# KiCad board EOutside.kicad_pcb (continued)
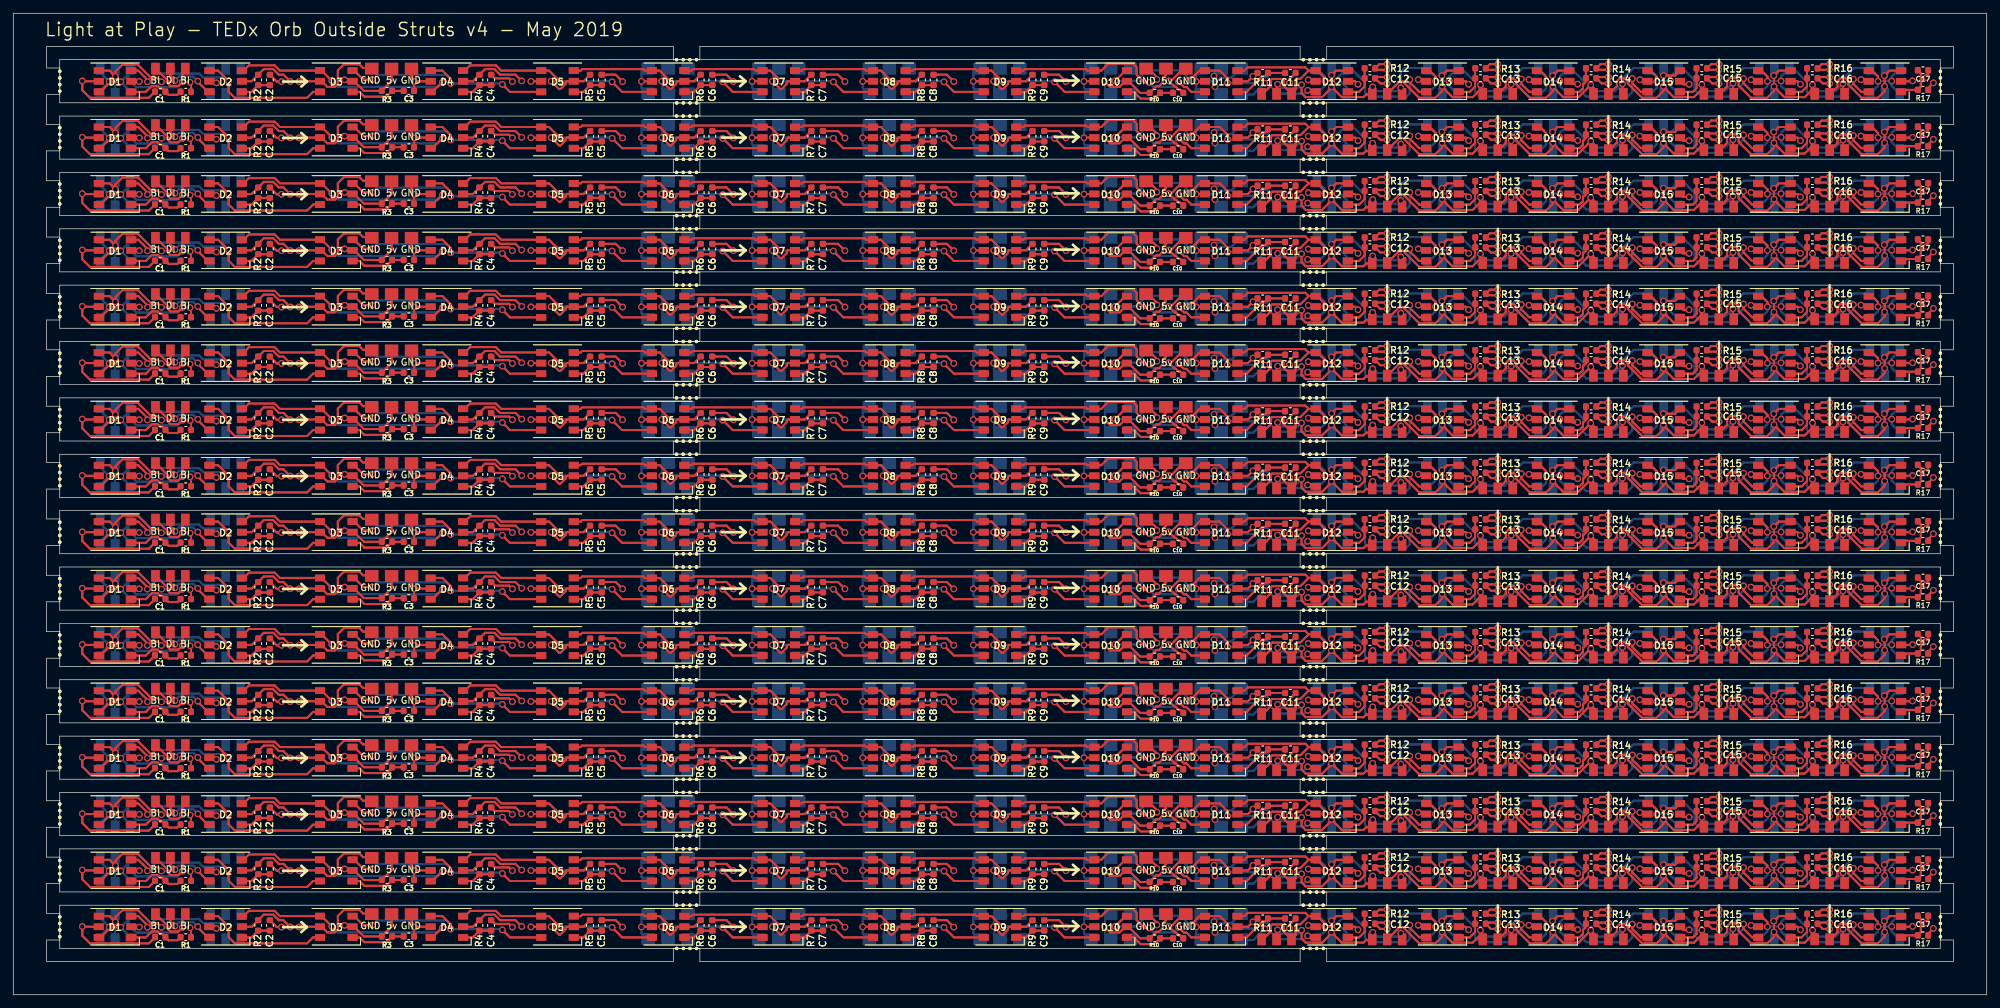
[diagram p0: board, top side]
## Routing (per net, layer and track width the routed paths; a pad name or vN(x,y) marks a point on that pad's centre or on a via; arc(x,y) is an arc through that point) (continued)
  Bottom w0.3: v1(164.38,137.75) 164.48,137.85 ; v1(164.38,137.75) 164.49,137.64 ; v1(164.38,137.75) 164.48,137.85 ; v1(164.38,137.75) 164.49,137.64 ; 164.48,137.85 164.48,139.4 ; 164.48,137.85 164.48,139.4 ; v1(147.72,137.75) 147.81,137.85 ; v1(147.72,137.75) 147.82,137.64 ; v1(147.72,137.75) 147.82,137.64 ; v1(147.72,137.75) 147.81,137.85 ; 147.81,137.85 147.81,139.4 ; 147.81,137.85 147.81,139.4 ; v1(131.05,137.75) 131.15,137.85 ; v1(131.05,137.75) 131.16,137.64 ; v1(131.05,137.75) 131.15,137.85 ; v1(131.05,137.75) 131.16,137.64 ; 131.15,137.85 131.15,139.4 ; 131.15,137.85 131.15,139.4 ; v1(114.38,137.75) 114.48,137.85 ; v1(114.38,137.75) 114.49,137.64 ; v1(114.38,137.75) 114.48,137.85 ; v1(114.38,137.75) 114.49,137.64 ; 114.48,137.85 114.48,139.4 ; 114.48,137.85 114.48,139.4 ; v1(97.72,137.75) 97.81,137.85 ; v1(97.72,137.75) 97.82,137.64 ; v1(97.72,137.75) 97.81,137.85 ; v1(97.72,137.75) 97.82,137.64 ; 97.81,137.85 97.81,139.4 ; 97.81,137.85 97.81,139.4 ; v1(81.05,137.75) 81.15,137.85 v1(81.05,137.75) ; v1(81.05,137.75) 81.16,137.64 v1(81.05,137.75) ; 164.48,139.4 165.33,140.25 164.48,139.4 ; 147.81,139.4 148.67,140.25 147.81,139.4 ; 131.15,139.4 132,140.25 131.15,139.4 ; 114.48,139.4 115.33,140.25 114.48,139.4 ; 97.81,139.4 98.67,140.25 97.81,139.4 ; 164.5,135.75 164.49,135.76 ; 164.5,135.75 165.33,135.75 164.5,135.75 ; 164.5,135.75 164.49,135.76 ; 164.49,135.76 164.49,137.64 ; 164.49,135.76 164.49,137.64 ; 147.83,135.75 147.82,135.76 ; 147.83,135.75 148.67,135.75 147.83,135.75 ; 147.83,135.75 147.82,135.76 ; 147.82,135.76 147.82,137.64 ; 147.82,135.76 147.82,137.64 ; 131.17,135.75 131.16,135.76 ; 131.17,135.75 132,135.75 131.17,135.75 ; 131.17,135.75 131.16,135.76 ; 131.16,135.76 131.16,137.64 ; 131.16,135.76 131.16,137.64 ; 114.5,135.75 114.49,135.76 ; 114.5,135.75 115.33,135.75 114.5,135.75 ; 114.5,135.75 114.49,135.76 ; 114.49,135.76 114.49,137.64 ; 114.49,135.76 114.49,137.64 ; 97.83,135.75 97.82,135.76 ; 97.83,135.75 98.67,135.75 97.83,135.75 ; 97.83,135.75 97.82,135.76 ; 97.82,135.76 97.82,137.64 ; 97.82,135.76 97.82,137.64 ; 182,131.11 181.42,130.53 ; 182,131.11 182,131.25 182,131.11 ; 182,131.11 181.42,130.53 ; 181.42,130.53 v1(180.92,130.03) 181.42,130.53 ; 181.55,127.93 v1(181.05,128.43) 181.55,127.93 ; 181.55,127.93 182,127.48 ; 181.55,127.93 182,127.48 ; 182,127.48 182,127.25 182,127.48 ; v1(164.38,129.25) 164.48,129.35 ; v1(164.38,129.25) 164.49,129.14 ; v1(164.38,129.25) 164.48,129.35 ; v1(164.38,129.25) 164.49,129.14 ; 164.48,129.35 164.48,130.9 ; 164.48,129.35 164.48,130.9 ; v1(81.05,129.25) 81.16,129.14 v1(81.05,129.25) ; v1(81.05,129.25) 81.15,129.35 v1(81.05,129.25) ; 164.48,130.9 165.33,131.75 164.48,130.9 ; 147.83,127.25 147.82,127.26 ; 147.83,127.25 148.67,127.25 147.83,127.25 ; 147.83,127.25 147.82,127.26 ; 147.82,127.26 147.82,129.14 ; 147.82,127.26 147.82,129.14 ; 164.49,129.14 164.49,127.26 ; 164.49,129.14 164.49,127.26 ; 147.82,129.14 v1(147.72,129.25) ; 147.82,129.14 v1(147.72,129.25) ; v1(147.72,129.25) 147.81,129.35 ; v1(147.72,129.25) 147.81,129.35 ; 164.49,127.26 164.5,127.25 ; 164.49,127.26 164.5,127.25 ; 164.5,127.25 165.33,127.25 164.5,127.25 ; v1(131.05,129.25) 131.15,129.35 ; v1(131.05,129.25) 131.16,129.14 ; v1(131.05,129.25) 131.15,129.35 ; v1(131.05,129.25) 131.16,129.14 ; 131.15,129.35 131.15,130.9 ; 131.15,129.35 131.15,130.9 ; 131.15,130.9 132,131.75 131.15,130.9 ; 131.17,127.25 131.16,127.26 ; 131.17,127.25 132,127.25 131.17,127.25 ; 131.17,127.25 131.16,127.26 ; 131.16,127.26 131.16,129.14 ; 131.16,127.26 131.16,129.14 ; v1(114.38,129.25) 114.48,129.35 ; v1(114.38,129.25) 114.49,129.14 ; v1(114.38,129.25) 114.48,129.35 ; v1(114.38,129.25) 114.49,129.14 ; 114.48,129.35 114.48,130.9 ; 114.48,129.35 114.48,130.9 ; 114.48,130.9 115.33,131.75 114.48,130.9 ; 147.81,129.35 147.81,130.9 ; 147.81,129.35 147.81,130.9 ; 114.5,127.25 114.49,127.26 ; 114.5,127.25 115.33,127.25 114.5,127.25 ; 114.5,127.25 114.49,127.26 ; 114.49,127.26 114.49,129.14 ; 114.49,127.26 114.49,129.14 ; 147.81,130.9 148.67,131.75 147.81,130.9 ; v1(97.72,129.25) 97.81,129.35 ; v1(97.72,129.25) 97.82,129.14 ; v1(97.72,129.25) 97.81,129.35 ; v1(97.72,129.25) 97.82,129.14 ; 97.81,129.35 97.81,130.9 ; 97.81,129.35 97.81,130.9 ; 97.81,130.9 98.67,131.75 97.81,130.9 ; 97.83,127.25 97.82,127.26 ; 97.83,127.25 98.67,127.25 97.83,127.25 ; 97.83,127.25 97.82,127.26 ; 97.82,127.26 97.82,129.14 ; 97.82,127.26 97.82,129.14 ; 182,122.61 181.42,122.03 ; 182,122.61 182,122.75 182,122.61 ; 182,122.61 181.42,122.03 ; 181.42,122.03 v1(180.92,121.53) 181.42,122.03 ; 181.55,119.43 v1(181.05,119.93) 181.55,119.43 ; 181.55,119.43 182,118.98 ; 181.55,119.43 182,118.98 ; 182,118.98 182,118.75 182,118.98 ; v1(164.38,120.75) 164.48,120.85 ; v1(164.38,120.75) 164.49,120.64 ; v1(164.38,120.75) 164.48,120.85 ; v1(164.38,120.75) 164.49,120.64 ; 164.48,120.85 164.48,122.4 ; 164.48,120.85 164.48,122.4 ; v1(81.05,120.75) 81.16,120.64 v1(81.05,120.75) ; v1(81.05,120.75) 81.15,120.85 v1(81.05,120.75) ; 164.48,122.4 165.33,123.25 164.48,122.4 ; 147.83,118.75 147.82,118.76 ; 147.83,118.75 148.67,118.75 147.83,118.75 ; 147.83,118.75 147.82,118.76 ; 147.82,118.76 147.82,120.64 ; 147.82,118.76 147.82,120.64 ; 164.49,120.64 164.49,118.76 ; 164.49,120.64 164.49,118.76 ; 147.82,120.64 v1(147.72,120.75) ; 147.82,120.64 v1(147.72,120.75) ; v1(147.72,120.75) 147.81,120.85 ; v1(147.72,120.75) 147.81,120.85 ; 164.49,118.76 164.5,118.75 ; 164.49,118.76 164.5,118.75 ; 164.5,118.75 165.33,118.75 164.5,118.75 ; v1(131.05,120.75) 131.15,120.85 ; v1(131.05,120.75) 131.16,120.64 ; v1(131.05,120.75) 131.15,120.85 ; v1(131.05,120.75) 131.16,120.64 ; 131.15,120.85 131.15,122.4 ; 131.15,120.85 131.15,122.4 ; 131.15,122.4 132,123.25 131.15,122.4 ; 131.17,118.75 131.16,118.76 ; 131.17,118.75 132,118.75 131.17,118.75 ; 131.17,118.75 131.16,118.76 ; 131.16,118.76 131.16,120.64 ; 131.16,118.76 131.16,120.64 ; v1(114.38,120.75) 114.48,120.85 ; v1(114.38,120.75) 114.49,120.64 ; v1(114.38,120.75) 114.48,120.85 ; v1(114.38,120.75) 114.49,120.64 ; 114.48,120.85 114.48,122.4 ; 114.48,120.85 114.48,122.4 ; 114.48,122.4 115.33,123.25 114.48,122.4 ; 147.81,120.85 147.81,122.4 ; 147.81,120.85 147.81,122.4 ; 114.5,118.75 114.49,118.76 ; 114.5,118.75 115.33,118.75 114.5,118.75 ; 114.5,118.75 114.49,118.76 ; 114.49,118.76 114.49,120.64 ; 114.49,118.76 114.49,120.64 ; 147.81,122.4 148.67,123.25 147.81,122.4 ; v1(97.72,120.75) 97.81,120.85 ; v1(97.72,120.75) 97.82,120.64 ; v1(97.72,120.75) 97.81,120.85 ; v1(97.72,120.75) 97.82,120.64 ; 97.81,120.85 97.81,122.4 ; 97.81,120.85 97.81,122.4 ; 97.81,122.4 98.67,123.25 97.81,122.4 ; 97.83,118.75 97.82,118.76 ; 97.83,118.75 98.67,118.75 97.83,118.75 ; 97.83,118.75 97.82,118.76 ; 97.82,118.76 97.82,120.64 ; 97.82,118.76 97.82,120.64 ; 182,114.11 181.42,113.53 ; 182,114.11 182,114.25 182,114.11 ; 182,114.11 181.42,113.53 ; 181.42,113.53 v1(180.92,113.03) 181.42,113.53 ; 181.55,110.93 v1(181.05,111.43) 181.55,110.93 ; 181.55,110.93 182,110.48 ; 181.55,110.93 182,110.48 ; 182,110.48 182,110.25 182,110.48 ; v1(164.38,112.25) 164.48,112.35 ; v1(164.38,112.25) 164.49,112.14 ; v1(164.38,112.25) 164.48,112.35 ; v1(164.38,112.25) 164.49,112.14 ; 164.48,112.35 164.48,113.9 ; 164.48,112.35 164.48,113.9 ; v1(81.05,112.25) 81.16,112.14 v1(81.05,112.25) ; v1(81.05,112.25) 81.15,112.35 v1(81.05,112.25) ; 164.48,113.9 165.33,114.75 164.48,113.9 ; 147.83,110.25 147.82,110.26 ; 147.83,110.25 148.67,110.25 147.83,110.25 ; 147.83,110.25 147.82,110.26 ; 147.82,110.26 147.82,112.14 ; 147.82,110.26 147.82,112.14 ; 164.49,112.14 164.49,110.26 ; 164.49,112.14 164.49,110.26 ; 147.82,112.14 v1(147.72,112.25) ; 147.82,112.14 v1(147.72,112.25) ; v1(147.72,112.25) 147.81,112.35 ; v1(147.72,112.25) 147.81,112.35 ; 164.49,110.26 164.5,110.25 ; 164.49,110.26 164.5,110.25 ; 164.5,110.25 165.33,110.25 164.5,110.25 ; v1(131.05,112.25) 131.15,112.35 ; v1(131.05,112.25) 131.16,112.14 ; v1(131.05,112.25) 131.15,112.35 ; v1(131.05,112.25) 131.16,112.14 ; 131.15,112.35 131.15,113.9 ; 131.15,112.35 131.15,113.9 ; 131.15,113.9 132,114.75 131.15,113.9 ; 131.17,110.25 131.16,110.26 ; 131.17,110.25 132,110.25 131.17,110.25 ; 131.17,110.25 131.16,110.26 ; 131.16,110.26 131.16,112.14 ; 131.16,110.26 131.16,112.14 ; v1(114.38,112.25) 114.48,112.35 ; v1(114.38,112.25) 114.49,112.14 ; v1(114.38,112.25) 114.48,112.35 ; v1(114.38,112.25) 114.49,112.14 ; 114.48,112.35 114.48,113.9 ; 114.48,112.35 114.48,113.9 ; 114.48,113.9 115.33,114.75 114.48,113.9 ; 147.81,112.35 147.81,113.9 ; 147.81,112.35 147.81,113.9 ; 114.5,110.25 114.49,110.26 ; 114.5,110.25 115.33,110.25 114.5,110.25 ; 114.5,110.25 114.49,110.26 ; 114.49,110.26 114.49,112.14 ; 114.49,110.26 114.49,112.14 ; 147.81,113.9 148.67,114.75 147.81,113.9 ; v1(97.72,112.25) 97.81,112.35 ; v1(97.72,112.25) 97.82,112.14 ; v1(97.72,112.25) 97.81,112.35 ; v1(97.72,112.25) 97.82,112.14 ; 97.81,112.35 97.81,113.9 ; 97.81,112.35 97.81,113.9 ; 97.81,113.9 98.67,114.75 97.81,113.9 ; 97.83,110.25 97.82,110.26 ; 97.83,110.25 98.67,110.25 97.83,110.25 ; 97.83,110.25 97.82,110.26 ; 97.82,110.26 97.82,112.14 ; 97.82,110.26 97.82,112.14 ; 182,139.61 181.42,139.03 ; 182,139.61 182,139.75 182,139.61 ; 182,139.61 181.42,139.03 ; 181.42,139.03 v1(180.92,138.53) 181.42,139.03 ; 181.55,136.43 v1(181.05,136.93) 181.55,136.43 ; 181.55,136.43 182,135.98 ; 181.55,136.43 182,135.98 ; 182,135.98 182,135.75 182,135.98 ; 182,105.61 181.42,105.03 ; 182,105.61 182,105.75 182,105.61 ; 182,105.61 181.42,105.03 ; 181.42,105.03 v1(180.92,104.53) 181.42,105.03 ; 181.55,102.43 v1(181.05,102.93) 181.55,102.43 ; 181.55,102.43 182,101.98 ; 181.55,102.43 182,101.98 ; 182,101.98 182,101.75 182,101.98 ; v1(164.38,103.75) 164.48,103.85 ; v1(164.38,103.75) 164.49,103.64 ; v1(164.38,103.75) 164.49,103.64 ; v1(164.38,103.75) 164.48,103.85 ; 164.48,103.85 164.48,105.4 ; 164.48,103.85 164.48,105.4 ; v1(81.05,103.75) 81.16,103.64 v1(81.05,103.75) ; v1(81.05,103.75) 81.15,103.85 v1(81.05,103.75) ; 164.48,105.4 165.33,106.25 164.48,105.4 ; 147.83,101.75 147.82,101.76 ; 147.83,101.75 148.67,101.75 147.83,101.75 ; 147.83,101.75 147.82,101.76 ; 147.82,101.76 147.82,103.64 ; 147.82,101.76 147.82,103.64 ; 164.49,103.64 164.49,101.76 ; 164.49,103.64 164.49,101.76 ; 147.82,103.64 v1(147.72,103.75) ; 147.82,103.64 v1(147.72,103.75) ; v1(147.72,103.75) 147.81,103.85 ; v1(147.72,103.75) 147.81,103.85 ; 164.49,101.76 164.5,101.75 ; 164.49,101.76 164.5,101.75 ; 164.5,101.75 165.33,101.75 164.5,101.75 ; v1(131.05,103.75) 131.15,103.85 ; v1(131.05,103.75) 131.16,103.64 ; v1(131.05,103.75) 131.15,103.85 ; v1(131.05,103.75) 131.16,103.64 ; 131.15,103.85 131.15,105.4 ; 131.15,103.85 131.15,105.4 ; 131.15,105.4 132,106.25 131.15,105.4 ; 131.17,101.75 131.16,101.76 ; 131.17,101.75 132,101.75 131.17,101.75 ; 131.17,101.75 131.16,101.76 ; 131.16,101.76 131.16,103.64 ; 131.16,101.76 131.16,103.64 ; v1(114.38,103.75) 114.48,103.85 ; v1(114.38,103.75) 114.49,103.64 ; v1(114.38,103.75) 114.48,103.85 ; v1(114.38,103.75) 114.49,103.64 ; 114.48,103.85 114.48,105.4 ; 114.48,103.85 114.48,105.4 ; 114.48,105.4 115.33,106.25 114.48,105.4 ; 147.81,103.85 147.81,105.4 ; 147.81,103.85 147.81,105.4 ; 114.5,101.75 114.49,101.76 ; 114.5,101.75 115.33,101.75 114.5,101.75 ; 114.5,101.75 114.49,101.76 ; 114.49,101.76 114.49,103.64 ; 114.49,101.76 114.49,103.64 ; 147.81,105.4 148.67,106.25 147.81,105.4 ; v1(97.72,103.75) 97.81,103.85 ; v1(97.72,103.75) 97.82,103.64 ; v1(97.72,103.75) 97.81,103.85 ; v1(97.72,103.75) 97.82,103.64 ; 97.81,103.85 97.81,105.4 ; 97.81,103.85 97.81,105.4 ; 97.81,105.4 98.67,106.25 97.81,105.4 ; 97.83,101.75 97.82,101.76 ; 97.83,101.75 98.67,101.75 97.83,101.75 ; 97.83,101.75 97.82,101.76 ; 97.82,101.76 97.82,103.64 ; 97.82,101.76 97.82,103.64 ; 182,97.11 181.42,96.53 ; 182,97.11 182,97.25 182,97.11 ; 182,97.11 181.42,96.53 ; 181.42,96.53 v1(180.92,96.03) 181.42,96.53 ; 181.55,93.93 v1(181.05,94.43) 181.55,93.93 ; 181.55,93.93 182,93.48 ; 181.55,93.93 182,93.48 ; 182,93.48 182,93.25 182,93.48 ; v1(164.38,95.25) 164.48,95.35 ; v1(164.38,95.25) 164.49,95.14 ; v1(164.38,95.25) 164.49,95.14 ; v1(164.38,95.25) 164.48,95.35 ; 164.48,95.35 164.48,96.9 ; 164.48,95.35 164.48,96.9 ; v1(81.05,95.25) 81.16,95.14 v1(81.05,95.25) ; v1(81.05,95.25) 81.15,95.35 v1(81.05,95.25) ; 164.48,96.9 165.33,97.75 164.48,96.9 ; 147.83,93.25 147.82,93.26 ; 147.83,93.25 148.67,93.25 147.83,93.25 ; 147.83,93.25 147.82,93.26 ; 147.82,93.26 147.82,95.14 ; 147.82,93.26 147.82,95.14 ; 164.49,95.14 164.49,93.26 ; 164.49,95.14 164.49,93.26 ; 147.82,95.14 v1(147.72,95.25) ; 147.82,95.14 v1(147.72,95.25) ; v1(147.72,95.25) 147.81,95.35 ; v1(147.72,95.25) 147.81,95.35 ; 164.49,93.26 164.5,93.25 ; 164.49,93.26 164.5,93.25 ; 164.5,93.25 165.33,93.25 164.5,93.25 ; v1(131.05,95.25) 131.15,95.35 ; v1(131.05,95.25) 131.16,95.14 ; v1(131.05,95.25) 131.15,95.35 ; v1(131.05,95.25) 131.16,95.14 ; 131.15,95.35 131.15,96.9 ; 131.15,95.35 131.15,96.9 ; 131.15,96.9 132,97.75 131.15,96.9 ; 131.17,93.25 131.16,93.26 ; 131.17,93.25 132,93.25 131.17,93.25 ; 131.17,93.25 131.16,93.26 ; 131.16,93.26 131.16,95.14 ; 131.16,93.26 131.16,95.14 ; v1(114.38,95.25) 114.48,95.35 ; v1(114.38,95.25) 114.49,95.14 ; v1(114.38,95.25) 114.48,95.35 ; v1(114.38,95.25) 114.49,95.14 ; 114.48,95.35 114.48,96.9 ; 114.48,95.35 114.48,96.9 ; 114.48,96.9 115.33,97.75 114.48,96.9 ; 147.81,95.35 147.81,96.9 ; 147.81,95.35 147.81,96.9 ; 114.5,93.25 114.49,93.26 ; 114.5,93.25 115.33,93.25 114.5,93.25 ; 114.5,93.25 114.49,93.26 ; 114.49,93.26 114.49,95.14 ; 114.49,93.26 114.49,95.14 ; 147.81,96.9 148.67,97.75 147.81,96.9 ; v1(97.72,95.25) 97.81,95.35 ; v1(97.72,95.25) 97.82,95.14 ; v1(97.72,95.25) 97.81,95.35 ; v1(97.72,95.25) 97.82,95.14 ; 97.81,95.35 97.81,96.9 ; 97.81,95.35 97.81,96.9 ; 97.81,96.9 98.67,97.75 97.81,96.9 ; 97.83,93.25 97.82,93.26 ; 97.83,93.25 98.67,93.25 97.83,93.25 ; 97.83,93.25 97.82,93.26 ; 97.82,93.26 97.82,95.14 ; 97.82,93.26 97.82,95.14 ; v1(164.38,78.25) 164.48,78.35 ; v1(164.38,78.25) 164.49,78.14 ; v1(164.38,78.25) 164.48,78.35 ; v1(164.38,78.25) 164.49,78.14 ; 164.48,78.35 164.48,79.9 ; 164.48,78.35 164.48,79.9 ; v1(81.05,78.25) 81.16,78.14 v1(81.05,78.25) ; v1(81.05,78.25) 81.15,78.35 v1(81.05,78.25) ; 164.48,79.9 165.33,80.75 164.48,79.9 ; 147.83,76.25 147.82,76.26 ; 147.83,76.25 148.67,76.25 147.83,76.25 ; 147.83,76.25 147.82,76.26 ; 147.82,76.26 147.82,78.14 ; 147.82,76.26 147.82,78.14 ; 164.49,78.14 164.49,76.26 ; 164.49,78.14 164.49,76.26 ; 147.82,78.14 v1(147.72,78.25) ; 147.82,78.14 v1(147.72,78.25) ; v1(147.72,78.25) 147.81,78.35 ; v1(147.72,78.25) 147.81,78.35 ; 164.49,76.26 164.5,76.25 ; 164.49,76.26 164.5,76.25 ; 164.5,76.25 165.33,76.25 164.5,76.25 ; v1(131.05,78.25) 131.15,78.35 ; v1(131.05,78.25) 131.16,78.14 ; v1(131.05,78.25) 131.16,78.14 ; v1(131.05,78.25) 131.15,78.35 ; 131.15,78.35 131.15,79.9 ; 131.15,78.35 131.15,79.9 ; 131.15,79.9 132,80.75 131.15,79.9 ; 131.17,76.25 131.16,76.26 ; 131.17,76.25 132,76.25 131.17,76.25 ; 131.17,76.25 131.16,76.26 ; 131.16,76.26 131.16,78.14 ; 131.16,76.26 131.16,78.14 ; v1(114.38,78.25) 114.48,78.35 ; v1(114.38,78.25) 114.49,78.14 ; v1(114.38,78.25) 114.48,78.35 ; v1(114.38,78.25) 114.49,78.14 ; 114.48,78.35 114.48,79.9 ; 114.48,78.35 114.48,79.9 ; 114.48,79.9 115.33,80.75 114.48,79.9 ; 147.81,78.35 147.81,79.9 ; 147.81,78.35 147.81,79.9 ; 114.5,76.25 114.49,76.26 ; 114.5,76.25 115.33,76.25 114.5,76.25 ; 114.5,76.25 114.49,76.26 ; 114.49,76.26 114.49,78.14 ; 114.49,76.26 114.49,78.14 ; 147.81,79.9 148.67,80.75 147.81,79.9 ; v1(97.72,78.25) 97.81,78.35 ; v1(97.72,78.25) 97.82,78.14 ; v1(97.72,78.25) 97.81,78.35 ; v1(97.72,78.25) 97.82,78.14 ; 97.81,78.35 97.81,79.9 ; 97.81,78.35 97.81,79.9 ; 97.81,79.9 98.67,80.75 97.81,79.9 ; 97.83,76.25 97.82,76.26 ; 97.83,76.25 98.67,76.25 97.83,76.25 ; 97.83,76.25 97.82,76.26 ; 97.82,76.26 97.82,78.14 ; 97.82,76.26 97.82,78.14 ; 182,80.11 181.42,79.53 ; 182,80.11 182,80.25 182,80.11 ; 182,80.11 181.42,79.53 ; 181.42,79.53 v1(180.92,79.03) 181.42,79.53 ; 181.55,76.93 v1(181.05,77.43) 181.55,76.93 ; 181.55,76.93 182,76.48 ; 181.55,76.93 182,76.48 ; 182,76.48 182,76.25 182,76.48 ; v1(164.38,86.75) 164.48,86.85 ; v1(164.38,86.75) 164.49,86.64 ; v1(164.38,86.75) 164.48,86.85 ; v1(164.38,86.75) 164.49,86.64 ; 164.48,86.85 164.48,88.4 ; 164.48,86.85 164.48,88.4 ; v1(81.05,86.75) 81.16,86.64 v1(81.05,86.75) ; v1(81.05,86.75) 81.15,86.85 v1(81.05,86.75) ; 164.48,88.4 165.33,89.25 164.48,88.4 ; 147.83,84.75 147.82,84.76 ; 147.83,84.75 148.67,84.75 147.83,84.75 ; 147.83,84.75 147.82,84.76 ; 147.82,84.76 147.82,86.64 ; 147.82,84.76 147.82,86.64 ; 164.49,86.64 164.49,84.76 ; 164.49,86.64 164.49,84.76 ; 147.82,86.64 v1(147.72,86.75) ; 147.82,86.64 v1(147.72,86.75) ; v1(147.72,86.75) 147.81,86.85 ; v1(147.72,86.75) 147.81,86.85 ; 164.49,84.76 164.5,84.75 ; 164.49,84.76 164.5,84.75 ; 164.5,84.75 165.33,84.75 164.5,84.75 ; v1(131.05,86.75) 131.15,86.85 ; v1(131.05,86.75) 131.16,86.64 ; v1(131.05,86.75) 131.15,86.85 ; v1(131.05,86.75) 131.16,86.64 ; 131.15,86.85 131.15,88.4 ; 131.15,86.85 131.15,88.4 ; 131.15,88.4 132,89.25 131.15,88.4 ; 131.17,84.75 131.16,84.76 ; 131.17,84.75 132,84.75 131.17,84.75 ; 131.17,84.75 131.16,84.76 ; 131.16,84.76 131.16,86.64 ; 131.16,84.76 131.16,86.64 ; v1(114.38,86.75) 114.48,86.85 ; v1(114.38,86.75) 114.49,86.64 ; v1(114.38,86.75) 114.48,86.85 ; v1(114.38,86.75) 114.49,86.64 ; 114.48,86.85 114.48,88.4 ; 114.48,86.85 114.48,88.4 ; 114.48,88.4 115.33,89.25 114.48,88.4 ; 147.81,86.85 147.81,88.4 ; 147.81,86.85 147.81,88.4 ; 114.5,84.75 114.49,84.76 ; 114.5,84.75 115.33,84.75 114.5,84.75 ; 114.5,84.75 114.49,84.76 ; 114.49,84.76 114.49,86.64 ; 114.49,84.76 114.49,86.64 ; 147.81,88.4 148.67,89.25 147.81,88.4 ; v1(97.72,86.75) 97.81,86.85 ; v1(97.72,86.75) 97.82,86.64 ; v1(97.72,86.75) 97.81,86.85 ; v1(97.72,86.75) 97.82,86.64 ; 97.81,86.85 97.81,88.4 ; 97.81,86.85 97.81,88.4 ; 97.81,88.4 98.67,89.25 97.81,88.4 ; 97.83,84.75 97.82,84.76 ; 97.83,84.75 98.67,84.75 97.83,84.75 ; 97.83,84.75 97.82,84.76 ; 97.82,84.76 97.82,86.64 ; 97.82,84.76 97.82,86.64 ; 182,88.61 181.42,88.03 ; 182,88.61 182,88.75 182,88.61 ; 182,88.61 181.42,88.03 ; 181.42,88.03 v1(180.92,87.53) 181.42,88.03 ; 181.55,85.43 v1(181.05,85.93) 181.55,85.43 ; 181.55,85.43 182,84.98 ; 181.55,85.43 182,84.98 ; 182,84.98 182,84.75 182,84.98 ; 182,71.61 181.42,71.03 ; 182,71.61 182,71.75 182,71.61 ; 182,71.61 181.42,71.03 ; 181.42,71.03 v1(180.92,70.53) 181.42,71.03 ; 181.55,68.43 v1(181.05,68.93) 181.55,68.43 ; 181.55,68.43 182,67.98 ; 181.55,68.43 182,67.98 ; 182,67.98 182,67.75 182,67.98 ; v1(164.38,69.75) 164.48,69.85 ; v1(164.38,69.75) 164.49,69.64 ; v1(164.38,69.75) 164.49,69.64 ; v1(164.38,69.75) 164.48,69.85 ; 164.48,69.85 164.48,71.4 ; 164.48,69.85 164.48,71.4 ; v1(81.05,69.75) 81.16,69.64 v1(81.05,69.75) ; v1(81.05,69.75) 81.15,69.85 v1(81.05,69.75) ; 164.48,71.4 165.33,72.25 164.48,71.4 ; 147.83,67.75 147.82,67.76 ; 147.83,67.75 148.67,67.75 147.83,67.75 ; 147.83,67.75 147.82,67.76 ; 147.82,67.76 147.82,69.64 ; 147.82,67.76 147.82,69.64 ; 164.49,69.64 164.49,67.76 ; 164.49,69.64 164.49,67.76 ; 147.82,69.64 v1(147.72,69.75) ; 147.82,69.64 v1(147.72,69.75) ; v1(147.72,69.75) 147.81,69.85 ; v1(147.72,69.75) 147.81,69.85 ; 164.49,67.76 164.5,67.75 ; 164.49,67.76 164.5,67.75 ; 164.5,67.75 165.33,67.75 164.5,67.75 ; v1(131.05,69.75) 131.15,69.85 ; v1(131.05,69.75) 131.16,69.64 ; v1(131.05,69.75) 131.15,69.85 ; v1(131.05,69.75) 131.16,69.64 ; 131.15,69.85 131.15,71.4 ; 131.15,69.85 131.15,71.4 ; 131.15,71.4 132,72.25 131.15,71.4 ; 131.17,67.75 131.16,67.76 ; 131.17,67.75 132,67.75 131.17,67.75 ; 131.17,67.75 131.16,67.76 ; 131.16,67.76 131.16,69.64 ; 131.16,67.76 131.16,69.64 ; v1(114.38,69.75) 114.48,69.85 ; v1(114.38,69.75) 114.49,69.64 ; v1(114.38,69.75) 114.48,69.85 ; v1(114.38,69.75) 114.49,69.64 ; 114.48,69.85 114.48,71.4 ; 114.48,69.85 114.48,71.4 ; 114.48,71.4 115.33,72.25 114.48,71.4 ; 147.81,69.85 147.81,71.4 ; 147.81,69.85 147.81,71.4 ; 114.5,67.75 114.49,67.76 ; 114.5,67.75 115.33,67.75 114.5,67.75 ; 114.5,67.75 114.49,67.76 ; 114.49,67.76 114.49,69.64 ; 114.49,67.76 114.49,69.64 ; 147.81,71.4 148.67,72.25 147.81,71.4 ; v1(97.72,69.75) 97.81,69.85 ; v1(97.72,69.75) 97.82,69.64 ; v1(97.72,69.75) 97.81,69.85 ; v1(97.72,69.75) 97.82,69.64 ; 97.81,69.85 97.81,71.4 ; 97.81,69.85 97.81,71.4 ; 97.81,71.4 98.67,72.25 97.81,71.4 ; 97.83,67.75 97.82,67.76 ; 97.83,67.75 98.67,67.75 97.83,67.75 ; 97.83,67.75 97.82,67.76 ; 97.82,67.76 97.82,69.64 ; 97.82,67.76 97.82,69.64 ; 182,63.11 181.42,62.53 ; 182,63.11 182,63.25 182,63.11 ; 182,63.11 181.42,62.53 ; 181.42,62.53 v1(180.92,62.03) 181.42,62.53 ; 181.55,59.93 v1(181.05,60.43) 181.55,59.93 ; 181.55,59.93 182,59.48 ; 181.55,59.93 182,59.48 ; 182,59.48 182,59.25 182,59.48 ; 164.48,62.9 165.33,63.75 164.48,62.9 ; 164.48,62.9 164.48,61.35 ; 164.48,62.9 164.48,61.35 ; 147.83,59.25 147.82,59.26 ; 147.83,59.25 148.67,59.25 147.83,59.25 ; 147.83,59.25 147.82,59.26 ; 147.82,59.26 147.82,61.14 ; 147.82,59.26 147.82,61.14 ; 164.48,61.35 v1(164.38,61.25) ; 164.48,61.35 v1(164.38,61.25) ; 164.49,61.14 v1(164.38,61.25) ; 164.49,61.14 164.49,59.26 ; 164.49,61.14 v1(164.38,61.25) ; 164.49,61.14 164.49,59.26 ; 147.82,61.14 v1(147.72,61.25) ; 147.82,61.14 v1(147.72,61.25) ; v1(147.72,61.25) 147.81,61.35 ; v1(147.72,61.25) 147.81,61.35 ; 164.49,59.26 164.5,59.25 ; 164.49,59.26 164.5,59.25 ; 164.5,59.25 165.33,59.25 164.5,59.25 ; v1(131.05,61.25) 131.15,61.35 ; v1(131.05,61.25) 131.16,61.14 ; v1(131.05,61.25) 131.15,61.35 ; v1(131.05,61.25) 131.16,61.14 ; 131.15,61.35 131.15,62.9 ; 131.15,61.35 131.15,62.9 ; 131.15,62.9 132,63.75 131.15,62.9 ; 131.17,59.25 131.16,59.26 ; 131.17,59.25 132,59.25 131.17,59.25 ; 131.17,59.25 131.16,59.26 ; 131.16,59.26 131.16,61.14 ; 131.16,59.26 131.16,61.14 ; v1(114.38,61.25) 114.48,61.35 ; v1(114.38,61.25) 114.49,61.14 ; v1(114.38,61.25) 114.48,61.35 ; v1(114.38,61.25) 114.49,61.14 ; 114.48,61.35 114.48,62.9 ; 114.48,61.35 114.48,62.9 ; 114.48,62.9 115.33,63.75 114.48,62.9 ; 147.81,61.35 147.81,62.9 ; 147.81,61.35 147.81,62.9 ; 114.5,59.25 114.49,59.26 ; 114.5,59.25 115.33,59.25 114.5,59.25 ; 114.5,59.25 114.49,59.26 ; 114.49,59.26 114.49,61.14 ; 114.49,59.26 114.49,61.14 ; 147.81,62.9 148.67,63.75 147.81,62.9 ; v1(97.72,61.25) 97.81,61.35 ; v1(97.72,61.25) 97.82,61.14 ; v1(97.72,61.25) 97.81,61.35 ; v1(97.72,61.25) 97.82,61.14 ; 97.81,61.35 97.81,62.9 ; 97.81,61.35 97.81,62.9 ; 97.81,62.9 98.67,63.75 97.81,62.9 ; 97.83,59.25 97.82,59.26 ; 97.83,59.25 98.67,59.25 97.83,59.25 ; 97.83,59.25 97.82,59.26 ; 97.82,59.26 97.82,61.14 ; 97.82,59.26 97.82,61.14 ; v1(81.05,61.25) 81.16,61.14 v1(81.05,61.25) ; v1(81.05,61.25) 81.15,61.35 v1(81.05,61.25) ; 182,42.48 181.55,42.93 ; 182,42.48 182,42.25 182,42.48 ; 182,42.48 181.55,42.93 ; 181.55,42.93 v1(181.05,43.43) 181.55,42.93 ; 181.42,45.53 v1(180.92,45.03) 181.42,45.53 ; 181.42,45.53 182,46.11 ; 181.42,45.53 182,46.11 ; v1(164.38,52.75) 164.48,52.85 ; v1(164.38,52.75) 164.49,52.64 ; v1(164.38,52.75) 164.48,52.85 ; v1(164.38,52.75) 164.49,52.64 ; 164.48,52.85 164.48,54.4 ; 164.48,52.85 164.48,54.4 ; v1(81.05,52.75) 81.16,52.64 v1(81.05,52.75) ; v1(81.05,52.75) 81.15,52.85 v1(81.05,52.75) ; 164.48,54.4 165.33,55.25 164.48,54.4 ; 147.83,50.75 147.82,50.76 ; 147.83,50.75 148.67,50.75 147.83,50.75 ; 147.83,50.75 147.82,50.76 ; 147.82,50.76 147.82,52.64 ; 147.82,50.76 147.82,52.64 ; 164.49,52.64 164.49,50.76 ; 164.49,52.64 164.49,50.76 ; 147.82,52.64 v1(147.72,52.75) ; 147.82,52.64 v1(147.72,52.75) ; v1(147.72,52.75) 147.81,52.85 ; v1(147.72,52.75) 147.81,52.85 ; 164.49,50.76 164.5,50.75 ; 164.49,50.76 164.5,50.75 ; 164.5,50.75 165.33,50.75 164.5,50.75 ; v1(131.05,52.75) 131.15,52.85 ; v1(131.05,52.75) 131.16,52.64 ; v1(131.05,52.75) 131.15,52.85 ; v1(131.05,52.75) 131.16,52.64 ; 131.15,52.85 131.15,54.4 ; 131.15,52.85 131.15,54.4 ; 131.15,54.4 132,55.25 131.15,54.4 ; 131.17,50.75 131.16,50.76 ; 131.17,50.75 132,50.75 131.17,50.75 ; 131.17,50.75 131.16,50.76 ; 131.16,50.76 131.16,52.64 ; 131.16,50.76 131.16,52.64 ; v1(114.38,52.75) 114.48,52.85 ; v1(114.38,52.75) 114.49,52.64 ; v1(114.38,52.75) 114.48,52.85 ; v1(114.38,52.75) 114.49,52.64 ; 114.48,52.85 114.48,54.4 ; 114.48,52.85 114.48,54.4 ; 114.48,54.4 115.33,55.25 114.48,54.4 ; 147.81,52.85 147.81,54.4 ; 147.81,52.85 147.81,54.4 ; 114.5,50.75 114.49,50.76 ; 114.5,50.75 115.33,50.75 114.5,50.75 ; 114.5,50.75 114.49,50.76 ; 114.49,50.76 114.49,52.64 ; 114.49,50.76 114.49,52.64 ; 147.81,54.4 148.67,55.25 147.81,54.4 ; v1(97.72,52.75) 97.81,52.85 ; v1(97.72,52.75) 97.82,52.64 ; v1(97.72,52.75) 97.81,52.85 ; v1(97.72,52.75) 97.82,52.64 ; 97.81,52.85 97.81,54.4 ; 97.81,52.85 97.81,54.4 ; 97.81,54.4 98.67,55.25 97.81,54.4 ; 97.83,50.75 97.82,50.76 ; 97.83,50.75 98.67,50.75 97.83,50.75 ; 97.83,50.75 97.82,50.76 ; 97.82,50.76 97.82,52.64 ; 97.82,50.76 97.82,52.64 ; 182,54.61 181.42,54.03 ; 182,54.61 182,54.75 182,54.61 ; 182,54.61 181.42,54.03 ; 181.42,54.03 v1(180.92,53.53) 181.42,54.03 ; 181.55,51.43 v1(181.05,51.93) 181.55,51.43 ; 181.55,51.43 182,50.98 ; 181.55,51.43 182,50.98 ; 182,50.98 182,50.75 182,50.98 ; 182,46.11 182,46.25 182,46.11 ; 114.48,44.35 114.48,45.9 ; 114.48,44.35 v1(114.38,44.25) ; 114.48,44.35 v1(114.38,44.25) ; 114.48,44.35 114.48,45.9 ; 114.48,45.9 115.33,46.75 114.48,45.9 ; v1(114.38,44.25) 114.49,44.14 ; v1(114.38,44.25) 114.49,44.14 ; 114.49,42.26 114.49,44.14 ; 114.49,42.26 114.5,42.25 ; 114.49,42.26 114.5,42.25 ; 114.49,42.26 114.49,44.14 ; 131.17,42.25 132,42.25 131.17,42.25 ; 131.17,42.25 131.16,42.26 ; 131.17,42.25 131.16,42.26 ; 114.5,42.25 115.33,42.25 114.5,42.25 ; v1(147.72,44.25) 147.81,44.35 ; v1(147.72,44.25) 147.82,44.14 ; v1(147.72,44.25) 147.81,44.35 ; v1(147.72,44.25) 147.82,44.14 ; 147.81,44.35 147.81,45.9 ; 147.81,44.35 147.81,45.9 ; 97.83,42.25 98.67,42.25 97.83,42.25 ; 97.83,42.25 97.82,42.26 ; 97.83,42.25 97.82,42.26 ; 97.82,42.26 97.82,44.14 ; 97.82,42.26 97.82,44.14 ; 97.82,44.14 v1(97.72,44.25) ; 97.82,44.14 v1(97.72,44.25) ; v1(97.72,44.25) 97.81,44.35 ; v1(97.72,44.25) 97.81,44.35 ; 147.81,45.9 148.67,46.75 147.81,45.9 ; 131.16,44.14 v1(131.05,44.25) ; 131.16,44.14 131.16,42.26 ; 131.16,44.14 v1(131.05,44.25) ; 131.16,44.14 131.16,42.26 ; v1(131.05,44.25) 131.15,44.35 ; v1(131.05,44.25) 131.15,44.35 ; 131.15,44.35 131.15,45.9 ; 131.15,44.35 131.15,45.9 ; 131.15,45.9 132,46.75 131.15,45.9 ; 164.48,45.9 165.33,46.75 164.48,45.9 ; 164.48,45.9 164.48,44.35 ; 164.48,45.9 164.48,44.35 ; 147.83,42.25 147.82,42.26 ; 147.83,42.25 148.67,42.25 147.83,42.25 ; 147.83,42.25 147.82,42.26 ; 147.82,42.26 147.82,44.14 ; 147.82,42.26 147.82,44.14 ; v1(81.05,44.25) 81.16,44.14 v1(81.05,44.25) ; v1(81.05,44.25) 81.15,44.35 v1(81.05,44.25) ; v1(164.38,44.25) 164.48,44.35 ; v1(164.38,44.25) 164.49,44.14 ; v1(164.38,44.25) 164.48,44.35 ; v1(164.38,44.25) 164.49,44.14 ; 97.81,44.35 97.81,45.9 ; 97.81,44.35 97.81,45.9 ; 97.81,45.9 98.67,46.75 97.81,45.9 ; 164.5,42.25 164.49,42.26 ; 164.5,42.25 165.33,42.25 164.5,42.25 ; 164.5,42.25 164.49,42.26 ; 164.49,42.26 164.49,44.14 ; 164.49,42.26 164.49,44.14 ; 97.83,25.25 98.67,25.25 97.83,25.25 ; 97.83,25.25 97.82,25.26 ; 97.83,25.25 97.82,25.26 ; 97.82,25.26 97.82,27.14 ; 97.82,25.26 97.82,27.14 ; 97.82,27.14 v1(97.72,27.25) ; 97.82,27.14 v1(97.72,27.25) ; v1(97.72,27.25) 97.81,27.35 ; v1(97.72,27.25) 97.81,27.35 ; 147.81,27.35 147.81,28.9 ; 147.81,27.35 v1(147.72,27.25) ; 147.81,27.35 v1(147.72,27.25) ; 147.81,27.35 147.81,28.9 ; 147.81,28.9 148.67,29.75 147.81,28.9 ; 97.81,27.35 97.81,28.9 ; 97.81,27.35 97.81,28.9 ; 97.81,28.9 98.67,29.75 97.81,28.9 ; 114.5,25.25 115.33,25.25 114.5,25.25 ; 114.5,25.25 114.49,25.26 ; 114.5,25.25 114.49,25.26 ; 114.49,25.26 114.49,27.14 ; 114.49,25.26 114.49,27.14 ; 114.49,27.14 v1(114.38,27.25) ; 114.49,27.14 v1(114.38,27.25) ; v1(114.38,27.25) 114.48,27.35 ; v1(114.38,27.25) 114.48,27.35 ; v1(147.72,27.25) 147.82,27.14 ; v1(147.72,27.25) 147.82,27.14 ; 114.48,27.35 114.48,28.9 ; 114.48,27.35 114.48,28.9 ; 114.48,28.9 115.33,29.75 114.48,28.9 ; 131.17,25.25 132,25.25 131.17,25.25 ; 131.17,25.25 131.16,25.26 ; 131.17,25.25 131.16,25.26 ; 131.16,25.26 131.16,27.14 ; 131.16,25.26 131.16,27.14 ; 131.16,27.14 v1(131.05,27.25) ; 131.16,27.14 v1(131.05,27.25) ; v1(131.05,27.25) 131.15,27.35 ; v1(131.05,27.25) 131.15,27.35 ; 131.15,27.35 131.15,28.9 ; 131.15,27.35 131.15,28.9 ; 131.15,28.9 132,29.75 131.15,28.9 ; 147.83,25.25 148.67,25.25 147.83,25.25 ; 147.83,25.25 147.82,25.26 ; 147.83,25.25 147.82,25.26 ; 164.5,25.25 164.49,25.26 ; 164.5,25.25 165.33,25.25 164.5,25.25 ; 164.5,25.25 164.49,25.26 ; 164.49,25.26 164.49,27.14 ; 164.49,25.26 164.49,27.14 ; 147.82,25.26 147.82,27.14 ; 147.82,25.26 147.82,27.14 ; 164.49,27.14 v1(164.38,27.25) ; 164.49,27.14 v1(164.38,27.25) ; v1(164.38,27.25) 164.48,27.35 ; v1(164.38,27.25) 164.48,27.35 ; 164.48,27.35 164.48,28.9 ; 164.48,27.35 164.48,28.9 ; 164.48,28.9 165.33,29.75 164.48,28.9 ; v1(81.05,27.25) 81.15,27.35 v1(81.05,27.25) ; v1(81.05,27.25) 81.16,27.14 v1(81.05,27.25) ; 182,20.61 181.42,20.03 ; 182,20.61 182,20.75 182,20.61 ; 182,20.61 181.42,20.03 ; 181.42,20.03 v1(180.92,19.53) 181.42,20.03 ; 181.55,17.43 v1(181.05,17.93) 181.55,17.43 ; 181.55,17.43 182,16.98 ; 181.55,17.43 182,16.98 ; 182,16.98 182,16.75 182,16.98 ; v1(164.38,18.75) 164.48,18.85 ; v1(164.38,18.75) 164.49,18.64 ; v1(164.38,18.75) 164.48,18.85 ; v1(164.38,18.75) 164.49,18.64 ; 164.48,18.85 164.48,20.4 ; 164.48,18.85 164.48,20.4 ; v1(81.05,18.75) 81.16,18.64 v1(81.05,18.75) ; v1(81.05,18.75) 81.15,18.85 v1(81.05,18.75) ; 164.48,20.4 165.33,21.25 164.48,20.4 ; 147.83,16.75 147.82,16.76 ; 147.83,16.75 148.67,16.75 147.83,16.75 ; 147.83,16.75 147.82,16.76 ; 147.82,16.76 147.82,18.64 ; 147.82,16.76 147.82,18.64 ; 164.49,18.64 164.49,16.76 ; 164.49,18.64 164.49,16.76 ; 147.82,18.64 v1(147.72,18.75) ; 147.82,18.64 v1(147.72,18.75) ; v1(147.72,18.75) 147.81,18.85 ; v1(147.72,18.75) 147.81,18.85 ; 164.49,16.76 164.5,16.75 ; 164.49,16.76 164.5,16.75 ; 164.5,16.75 165.33,16.75 164.5,16.75 ; v1(131.05,18.75) 131.15,18.85 ; v1(131.05,18.75) 131.16,18.64 ; v1(131.05,18.75) 131.15,18.85 ; v1(131.05,18.75) 131.16,18.64 ; 131.15,18.85 131.15,20.4 ; 131.15,18.85 131.15,20.4 ; 131.15,20.4 132,21.25 131.15,20.4 ; 131.17,16.75 131.16,16.76 ; 131.17,16.75 132,16.75 131.17,16.75 ; 131.17,16.75 131.16,16.76 ; 131.16,16.76 131.16,18.64 ; 131.16,16.76 131.16,18.64 ; v1(114.38,18.75) 114.48,18.85 ; v1(114.38,18.75) 114.49,18.64 ; v1(114.38,18.75) 114.48,18.85 ; v1(114.38,18.75) 114.49,18.64 ; 114.48,18.85 114.48,20.4 ; 114.48,18.85 114.48,20.4 ; 114.48,20.4 115.33,21.25 114.48,20.4 ; 147.81,18.85 147.81,20.4 ; 147.81,18.85 147.81,20.4 ; 114.5,16.75 114.49,16.76 ; 114.5,16.75 115.33,16.75 114.5,16.75 ; 114.5,16.75 114.49,16.76 ; 114.49,16.76 114.49,18.64 ; 114.49,16.76 114.49,18.64 ; 147.81,20.4 148.67,21.25 147.81,20.4 ; v1(97.72,18.75) 97.81,18.85 ; v1(97.72,18.75) 97.82,18.64 ; v1(97.72,18.75) 97.81,18.85 ; v1(97.72,18.75) 97.82,18.64 ; 97.81,18.85 97.81,20.4 ; 97.81,18.85 97.81,20.4 ; 97.81,20.4 98.67,21.25 97.81,20.4 ; 97.83,16.75 97.82,16.76 ; 97.83,16.75 98.67,16.75 97.83,16.75 ; 97.83,16.75 97.82,16.76 ; 97.82,16.76 97.82,18.64 ; 97.82,16.76 97.82,18.64 ; 181.42,11.53 v1(180.92,11.03) 181.42,11.53 ; 181.42,11.53 182,12.11 ; 181.42,11.53 182,12.11 ; 182,8.48 181.55,8.93 ; 182,8.48 182,8.25 182,8.48 ; 182,8.48 181.55,8.93 ; 181.55,8.93 v1(181.05,9.43) 181.55,8.93 ; 182,37.61 181.42,37.03 ; 182,37.61 182,37.75 182,37.61 ; 182,37.61 181.42,37.03 ; 181.42,37.03 v1(180.92,36.53) 181.42,37.03 ; 181.55,34.43 v1(181.05,34.93) 181.55,34.43 ; 181.55,34.43 182,33.98 ; 181.55,34.43 182,33.98 ; 114.48,10.35 114.48,11.9 ; 114.48,10.35 v1(114.38,10.25) ; 114.48,10.35 v1(114.38,10.25) ; 114.48,10.35 114.48,11.9 ; 114.48,11.9 115.33,12.75 114.48,11.9 ; v1(114.38,10.25) 114.49,10.14 ; v1(114.38,10.25) 114.49,10.14 ; 114.49,8.26 114.49,10.14 ; 114.49,8.26 114.5,8.25 ; 114.49,8.26 114.5,8.25 ; 114.49,8.26 114.49,10.14 ; 131.17,8.25 132,8.25 131.17,8.25 ; 131.17,8.25 131.16,8.26 ; 131.17,8.25 131.16,8.26 ; 114.5,8.25 115.33,8.25 114.5,8.25 ; v1(147.72,10.25) 147.81,10.35 ; v1(147.72,10.25) 147.82,10.14 ; v1(147.72,10.25) 147.81,10.35 ; v1(147.72,10.25) 147.82,10.14 ; 147.81,10.35 147.81,11.9 ; 147.81,10.35 147.81,11.9 ; 97.83,8.25 98.67,8.25 97.83,8.25 ; 97.83,8.25 97.82,8.26 ; 97.83,8.25 97.82,8.26 ; 97.82,8.26 97.82,10.14 ; 97.82,8.26 97.82,10.14 ; 97.82,10.14 v1(97.72,10.25) ; 97.82,10.14 v1(97.72,10.25) ; v1(97.72,10.25) 97.81,10.35 ; v1(97.72,10.25) 97.81,10.35 ; 147.81,11.9 148.67,12.75 147.81,11.9 ; 131.16,10.14 v1(131.05,10.25) ; 131.16,10.14 131.16,8.26 ; 131.16,10.14 v1(131.05,10.25) ; 131.16,10.14 131.16,8.26 ; v1(131.05,10.25) 131.15,10.35 ; v1(131.05,10.25) 131.15,10.35 ; 131.15,10.35 131.15,11.9 ; 131.15,10.35 131.15,11.9 ; 131.15,11.9 132,12.75 131.15,11.9 ; 164.48,11.9 165.33,12.75 164.48,11.9 ; 164.48,11.9 164.48,10.35 ; 164.48,11.9 164.48,10.35 ; 147.83,8.25 147.82,8.26 ; 147.83,8.25 148.67,8.25 147.83,8.25 ; 147.83,8.25 147.82,8.26 ; 147.82,8.26 147.82,10.14 ; 147.82,8.26 147.82,10.14 ; v1(81.05,10.25) 81.16,10.14 v1(81.05,10.25) ; v1(81.05,10.25) 81.15,10.35 v1(81.05,10.25) ; v1(164.38,10.25) 164.48,10.35 ; v1(164.38,10.25) 164.49,10.14 ; v1(164.38,10.25) 164.48,10.35 ; v1(164.38,10.25) 164.49,10.14 ; 97.81,10.35 97.81,11.9 ; 97.81,10.35 97.81,11.9 ; 97.81,11.9 98.67,12.75 97.81,11.9 ; 164.5,8.25 164.49,8.26 ; 164.5,8.25 165.33,8.25 164.5,8.25 ; 164.5,8.25 164.49,8.26 ; 164.49,8.26 164.49,10.14 ; 164.49,8.26 164.49,10.14 ; 182,12.11 182,12.25 182,12.11 ; 182,33.98 182,33.75 182,33.98 ; v1(164.38,35.75) 164.48,35.85 ; v1(164.38,35.75) 164.49,35.64 ; v1(164.38,35.75) 164.48,35.85 ; v1(164.38,35.75) 164.49,35.64 ; 164.48,35.85 164.48,37.4 ; 164.48,35.85 164.48,37.4 ; 164.5,33.75 164.49,33.76 ; 164.5,33.75 165.33,33.75 164.5,33.75 ; 164.5,33.75 164.49,33.76 ; 164.49,33.76 164.49,35.64 ; 164.49,33.76 164.49,35.64 ; 147.83,33.75 148.67,33.75 147.83,33.75 ; 147.83,33.75 147.82,33.76 ; 147.83,33.75 147.82,33.76 ; v1(131.05,35.75) 131.15,35.85 ; v1(131.05,35.75) 131.16,35.64 ; v1(131.05,35.75) 131.15,35.85 ; v1(131.05,35.75) 131.16,35.64 ; 131.15,35.85 131.15,37.4 ; 131.15,35.85 131.15,37.4 ; 131.15,37.4 132,38.25 131.15,37.4 ; 131.17,33.75 131.16,33.76 ; 131.17,33.75 132,33.75 131.17,33.75 ; 131.17,33.75 131.16,33.76 ; 131.16,33.76 131.16,35.64 ; 131.16,33.76 131.16,35.64 ; v1(114.38,35.75) 114.48,35.85 ; v1(114.38,35.75) 114.49,35.64 ; v1(114.38,35.75) 114.48,35.85 ; v1(114.38,35.75) 114.49,35.64 ; 114.48,35.85 114.48,37.4 ; 114.48,35.85 114.48,37.4 ; 114.48,37.4 115.33,38.25 114.48,37.4 ; v1(147.72,35.75) 147.81,35.85 ; v1(147.72,35.75) 147.82,35.64 ; v1(147.72,35.75) 147.81,35.85 ; v1(147.72,35.75) 147.82,35.64 ; 147.81,35.85 147.81,37.4 ; 147.81,35.85 147.81,37.4 ; 114.5,33.75 114.49,33.76 ; 114.5,33.75 115.33,33.75 114.5,33.75 ; 114.5,33.75 114.49,33.76 ; 114.49,33.76 114.49,35.64 ; 114.49,33.76 114.49,35.64 ; 147.81,37.4 148.67,38.25 147.81,37.4 ; v1(97.72,35.75) 97.81,35.85 ; v1(97.72,35.75) 97.82,35.64 ; v1(97.72,35.75) 97.81,35.85 ; v1(97.72,35.75) 97.82,35.64 ; 97.81,35.85 97.81,37.4 ; 97.81,35.85 97.81,37.4 ; 97.81,37.4 98.67,38.25 97.81,37.4 ; 97.83,33.75 97.82,33.76 ; 97.83,33.75 98.67,33.75 97.83,33.75 ; 97.83,33.75 97.82,33.76 ; 97.82,33.76 97.82,35.64 ; 97.82,33.76 97.82,35.64 ; v1(81.05,35.75) 81.16,35.64 v1(81.05,35.75) ; v1(81.05,35.75) 81.15,35.85 v1(81.05,35.75) ; 164.48,37.4 165.33,38.25 164.48,37.4 ; 147.82,33.76 147.82,35.64 ; 147.82,33.76 147.82,35.64 ; 182,29.11 182,29.25 182,29.11 ; 182,29.11 181.42,28.53 ; 182,29.11 181.42,28.53 ; 182,25.48 182,25.25 182,25.48 ; 182,25.48 181.55,25.93 ; 182,25.48 181.55,25.93 ; 181.55,25.93 v1(181.05,26.43) 181.55,25.93 ; 181.42,28.53 v1(180.92,28.03) 181.42,28.53
